# KiCad board Turbo_XT_Mainboard R3.kicad_pcb (continued)
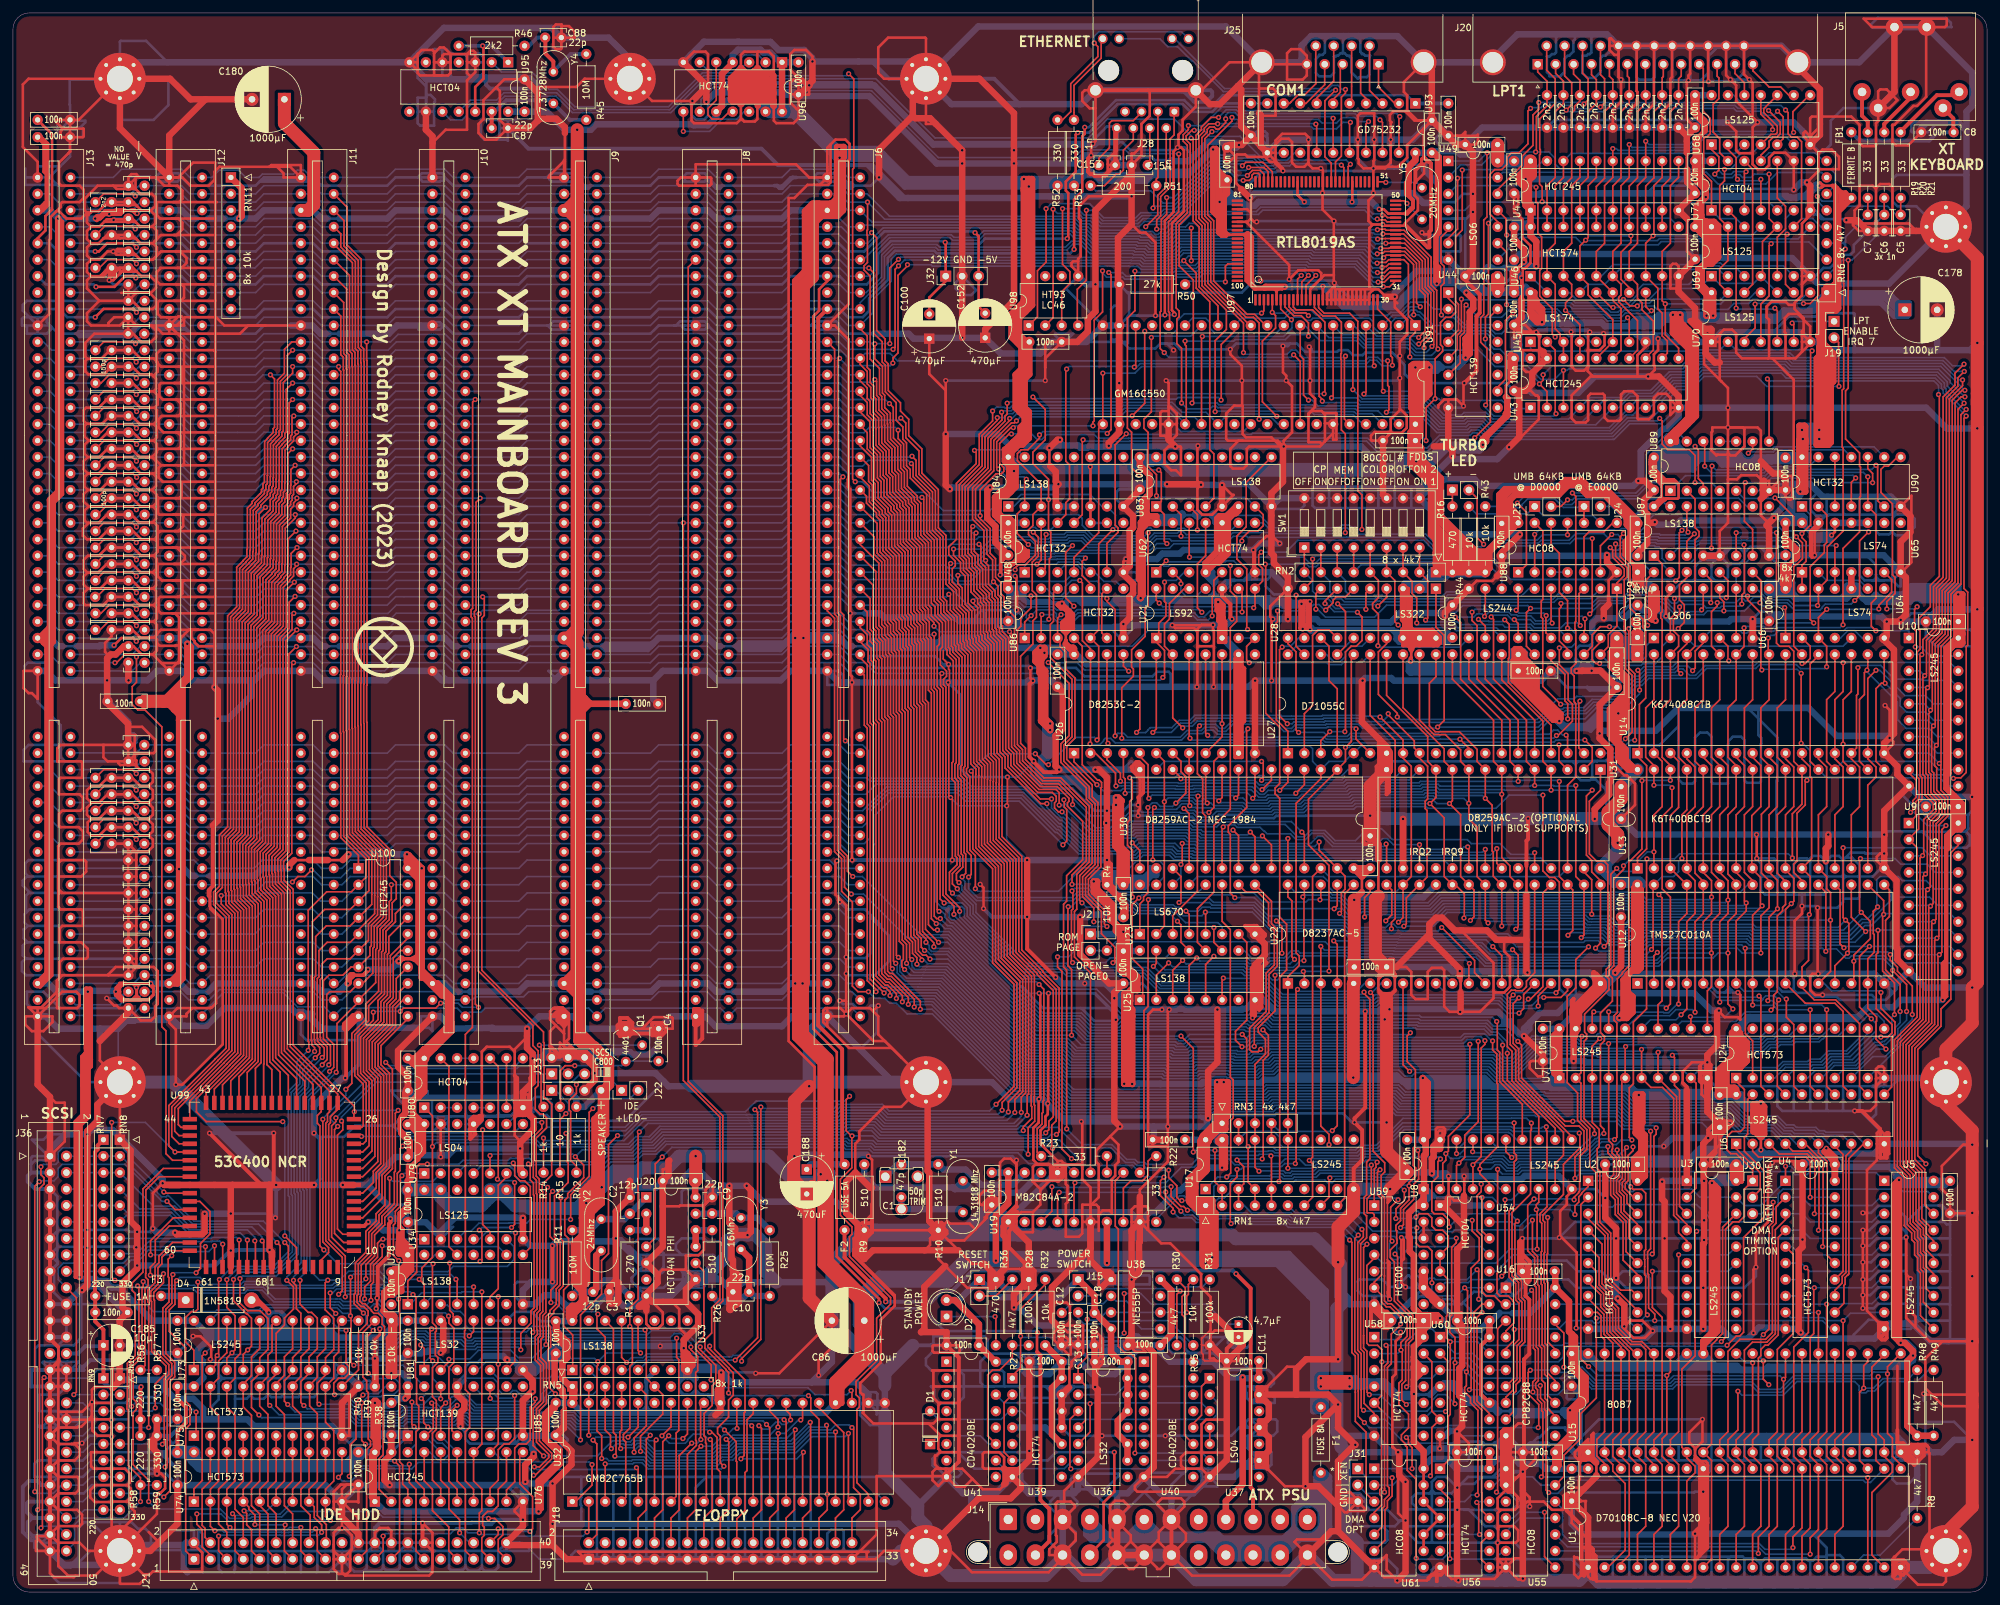
[diagram p0: board, top side]
## Routing (per net, layer and track width the routed paths; a pad name or vN(x,y) marks a point on that pad's centre or on a via; arc(x,y) is an arc through that point) (continued)
/IRQ2: length 43.2
  Top w0.25: v1(186.86,118.14) 186.69,117.97 U30.20 ; U31.17 v1(217.17,115.41)
  Bottom w0.25: v1(186.86,118.14) 187.18,118.46 188.64,118.46 189.02,118.08 192.56,118.08 193.15,117.49 193.24,117.49 193.64,117.08 197.24,117.08 198.15,116.17 199.54,116.17 200.52,117.15 202.38,117.15 203.95,115.59 210.71,115.59 211.45,116.33 212.22,116.33 213.14,115.41 v1(217.17,115.41)
/IRQ3: length 314.6
  Top w0.25: v1(161.54,121.51) 161.53,121.52 161.53,123.45 161.05,123.93 158.41,123.93 154.53,127.81 154.53,129.52 153.73,130.31 153.73,147.36 152.76,148.33 152.76,149.18 152.54,149.4 152.54,153.52 152.09,153.97 152.09,155.31 v1(151.39,156.01) 151.26,156.14 151.26,159.38 150.37,160.27 150.37,164.09 148.61,165.84 148.61,170.32 151.44,173.15 151.44,177.82 154.16,180.54 154.63,180.54 v1(154.94,180.85) ; v1(192.79,197.49) 193.14,197.84 U97.3 ; C118.2 14.03,157.5 18.42,157.5 v1(19.06,156.85) ; v1(172.81,181.63) 174.74,183.56 v1(174.74,194.7) ; U30.21 189.23,116.81 v1(188.38,117.66)
  Bottom w0.25: v1(172.81,181.63) 172.65,181.47 155.56,181.47 v1(154.94,180.85) ; v1(151.39,156.01) 150.99,155.61 145.57,155.61 144.84,156.34 128.77,156.34 127.63,157.48 J6.25 120.01,157.48 118.75,156.21 108.58,156.21 107.31,157.48 J8.25 99.69,157.48 98.42,156.21 88.26,156.21 86.99,157.48 J9.25 79.38,157.48 78.1,156.21 67.94,156.21 66.67,157.48 J10.25 59.05,157.48 57.78,156.21 47.62,156.21 46.35,157.48 J11.25 38.73,157.48 37.46,156.21 27.3,156.21 26.03,157.48 J12.25 19.68,157.48 19.06,156.86 v1(19.06,156.85) ; v1(174.74,194.7) 174.99,194.45 179.21,194.45 179.7,194.94 179.7,196.22 180.85,197.36 192.66,197.36 v1(192.79,197.49) ; v1(161.54,121.51) 162.02,121.51 166.41,117.12 169.83,117.12 170.47,117.77 172.62,117.77 172.98,118.13 181.61,118.13 182.04,117.7 183.43,117.7 183.71,117.42 188.14,117.42 v1(188.38,117.66) ; C118.2 6.98,156.21 5.71,157.48 J13.25
/IRQ4: length 303.4
  Top w0.25: v1(153.89,181.23) 153.89,180.91 150.99,178 150.99,173.33 148.16,170.51 148.16,165.66 149.92,163.9 149.92,159.56 v1(150.18,159.29) 150.18,158.93 150.62,158.48 150.62,155.62 151.64,154.6 151.64,153.79 152.09,153.34 152.09,149.05 152.31,148.83 152.31,148.15 153.28,147.18 153.28,130.13 154.08,129.33 154.08,127.62 158.22,123.48 160.47,123.48 161.08,122.87 161.08,122.12 160.82,121.86 160.82,121.08 161.41,120.49 v1(161.98,120.49) ; v1(191.04,117.36) 191.77,116.63 U30.22 ; v1(19.06,159.39) 18.44,160.02 14.01,160.02 C117.2
  Bottom w0.25: v1(150.18,159.29) 149.83,159.29 148.64,158.1 144.41,158.1 143.94,158.57 129.09,158.57 127.63,160.02 J6.24 120.01,160.02 118.75,158.75 108.58,158.75 107.31,160.02 J8.24 99.69,160.02 98.42,158.75 88.26,158.75 86.99,160.02 J9.24 79.38,160.02 78.1,158.75 67.94,158.75 66.67,160.02 J10.24 59.05,160.02 57.78,158.75 47.62,158.75 46.35,160.02 J11.24 38.73,160.02 37.46,158.75 27.3,158.75 26.03,160.02 J12.24 19.68,160.02 19.06,159.4 v1(19.06,159.39) ; v1(153.89,181.23) 154.24,181.23 154.93,181.92 171.37,181.92 171.81,182.35 178.42,182.35 179.7,181.07 179.7,179.83 180.32,179.21 190.01,179.21 U91.30 ; v1(161.98,120.49) 165.79,116.67 170.01,116.67 170.66,117.32 172.81,117.32 173.16,117.68 181.42,117.68 181.85,117.25 183.25,117.25 183.56,116.94 190.62,116.94 v1(191.04,117.36) ; 13.33,158.75 C117.2 6.98,158.75 5.71,160.02 J13.24
/IRQ5: length 240.2
  Top w0.25: C116.2 12.81,161.29 14.08,162.56 18.54,162.56 v1(19.05,162.05) ; v1(149.15,161.8) 149.45,161.5 149.45,158.94 150.17,158.22 150.17,155.44 151.19,154.41 151.19,153.6 151.64,153.15 151.64,148.86 151.86,148.64 151.86,147.96 152.83,146.99 152.83,129.94 153.63,129.14 153.63,127.44 158.6,122.47 v1(160.36,122.47) ; U30.23 194.31,115.36 v1(192.91,116.76)
  Bottom w0.25: v1(19.05,162.05) 19.18,162.05 19.68,162.56 J12.23 26.03,162.56 27.3,161.29 37.46,161.29 38.73,162.56 J11.23 46.35,162.56 47.62,161.29 57.78,161.29 59.05,162.56 J10.23 66.67,162.56 67.94,161.29 78.1,161.29 79.38,162.56 J9.23 86.99,162.56 88.26,161.29 98.42,161.29 99.69,162.56 J8.23 107.31,162.56 108.58,161.29 118.75,161.29 120.01,162.56 J6.23 127.63,162.56 128.9,161.29 144.29,161.29 144.8,161.8 v1(149.15,161.8) ; J13.23 5.71,162.56 6.98,161.29 C116.2 ; v1(160.36,122.47) 160.36,121.08 161.83,119.61 162.2,119.61 165.59,116.22 170.2,116.22 170.85,116.87 172.99,116.87 173.35,117.23 181.23,117.23 181.66,116.8 183.06,116.8 183.38,116.49 192.64,116.49 v1(192.91,116.76)
/IRQ6: length 413.7
  Top w0.25: C115.2 14.01,165.1 18.44,165.1 v1(19.06,164.47) ; v1(159.63,121.74) 158.69,121.74 153.18,127.25 153.18,128.96 152.38,129.75 152.38,146.8 151.41,147.77 151.41,148.46 151.19,148.68 151.19,152.96 150.74,153.41 150.74,154.23 149.72,155.25 149.72,158.01 149,158.73 149,160.12 148.43,160.7 148.43,163.27 v1(148.7,163.55) ; v1(110.49,30.73) 110.49,33.91 110.1,34.3 110.1,34.37 106.84,37.62 106.84,38.96 107.88,40 107.88,43.87 109.15,45.14 109.15,73.35 103.51,78.99 v1(103.51,165.1) ; U30.24 v1(196.85,116.36) ; U32.16 124.46,26.67 123.19,27.94 123.19,29.96 v1(122.82,30.33)
  Bottom w0.25: v1(122.82,30.33) 122.8,30.35 110.88,30.35 v1(110.49,30.73) ; v1(19.06,164.47) 19.06,164.48 19.68,165.1 J12.22 26.03,165.1 27.3,163.83 37.46,163.83 38.73,165.1 J11.22 46.35,165.1 47.62,163.83 57.78,163.83 59.05,165.1 J10.22 66.67,165.1 67.94,163.83 78.1,163.83 79.38,165.1 J9.22 86.99,165.1 88.26,163.83 98.42,163.83 99.69,165.1 v1(103.51,165.1) J8.22 107.31,165.1 108.58,163.83 118.75,163.83 120.02,165.1 J6.22 127.76,165.1 129.03,163.83 147.86,163.83 148.14,163.55 v1(148.7,163.55) ; v1(196.85,116.36) 196.53,116.04 183.19,116.04 182.87,116.35 181.48,116.35 181.05,116.78 173.54,116.78 173.18,116.42 171.03,116.42 170.38,115.77 165.4,115.77 162.01,119.16 161.64,119.16 159.63,121.17 v1(159.63,121.74) ; J13.22 5.71,165.1 6.98,163.83 C115.2
/IRQ7: length 546.3
  Top w0.25: U99.4 43.79,53.18 v1(41.97,54.99) ; v1(38.99,167.49) 38,166.49 38,160.33 37.92,160.26 37.92,159.13 37.32,158.53 37.32,158.48 36.34,157.5 36.34,151.4 34.95,150 34.95,117.43 33.68,116.16 33.68,108.37 33.78,108.27 33.78,106.54 35.16,105.16 35.16,83.05 33.47,81.36 33.47,81.34 28.32,76.19 28.32,74.17 29.84,72.64 v1(41.66,72.64) ; v1(163.61,121.59) 163.61,122.65 161.43,124.83 158.78,124.83 155.43,128.18 155.43,129.89 154.63,130.69 154.63,148.79 154.8,148.95 154.8,150.48 153.03,152.24 153.03,153.67 152.54,154.16 152.54,155.88 151.71,156.72 151.71,159.57 150.88,160.4 150.88,164.22 149.34,165.75 v1(149.34,166.2) 149.34,170.22 151.8,172.68 152.62,172.68 152.99,173.06 152.99,173.63 152.34,174.28 152.34,177.36 153.81,178.83 v1(154.16,178.83) ; U30.25 199.39,116.97 v1(199.01,117.35) ; J19.2 281.88,192.98 281.88,186.25 v1(281.94,186.18) ; v1(19.05,167.13) 18.54,167.64 14.33,167.64 13.06,166.37 C114.2
  Bottom w0.25: v1(41.97,54.99) 41.97,72.33 v1(41.66,72.64) ; v1(163.61,121.59) 167.18,118.02 169.45,118.02 170.1,118.67 172.25,118.67 172.6,119.03 181.98,119.03 182.41,118.6 185.66,118.6 186.42,119.36 189.01,119.36 189.39,118.98 197.38,118.98 v1(199.01,117.35) ; v1(281.94,186.18) 270.76,186.18 269.24,187.71 261.11,187.71 259.08,185.67 257.05,185.67 255.9,184.53 255.9,181.81 254.5,180.4 249.63,180.4 247.21,177.99 247.08,177.99 227.05,177.99 226.05,178.99 225.36,178.99 224.98,178.6 220.26,178.6 218.33,176.67 210.68,176.67 209.17,178.18 172.29,178.18 172.24,178.14 169.77,178.14 169.73,178.18 167.51,178.18 166.95,178.75 159.63,178.75 158.84,177.96 158.15,177.96 157.28,178.83 v1(154.16,178.83) ; C114.2 6.98,166.37 5.71,167.64 J13.21 ; v1(149.34,166.2) 149.16,166.37 128.78,166.37 127.51,167.64 J6.21 120.01,167.64 118.75,166.37 108.58,166.37 107.31,167.64 J8.21 99.69,167.64 98.42,166.37 88.26,166.37 86.99,167.64 J9.21 79.38,167.64 78.1,166.37 67.94,166.37 66.67,167.64 J10.21 59.05,167.64 57.78,166.37 47.62,166.37 46.35,167.64 J11.21 38.73,167.64 37.46,166.37 27.3,166.37 26.03,167.64 J12.21 19.68,167.64 19.18,167.13 v1(19.05,167.13)
/IRQ9: length 321.1
  Top w0.25: C101.2 12.81,209.55 14.14,210.88 18.49,210.88 v1(18.89,210.48) ; v1(148.6,108.61) 148.6,113.72 147.76,114.56 147.76,125.92 147.23,126.45 147.23,127.12 147.43,127.32 147.43,144.75 146.46,145.72 146.46,146.41 146.24,146.63 146.24,150.75 145.22,151.77 145.22,154.49 144.05,155.67 144.05,163.17 142.88,164.34 142.88,170.24 140.33,172.78 140.33,176.53 138.3,178.56 138.3,181.1 137.03,182.37 137.03,183.64 135.15,185.53 135.15,189.5 135.14,189.5 135.14,189.64 134.66,190.13 134.66,193.51 133.35,194.82 133.35,209.13 v1(132.57,209.91)
  Bottom w0.25: v1(18.89,210.48) 19.23,210.82 J12.4 26.03,210.82 27.3,209.55 37.46,209.55 38.73,210.82 J11.4 46.35,210.82 47.62,209.55 57.78,209.55 59.05,210.82 J10.4 66.67,210.82 67.94,209.55 78.1,209.55 79.38,210.82 J9.4 86.99,210.82 88.26,209.55 98.42,209.55 99.69,210.82 J8.4 107.31,210.82 108.58,209.55 118.75,209.55 120.01,210.82 J6.4 127.89,210.82 129.16,209.55 132.22,209.55 v1(132.57,209.91) ; J13.4 5.71,210.82 6.98,209.55 C101.2 ; v1(148.6,108.61) 149,108.21 161.43,108.21 165.04,111.82 172.4,111.82 173.49,112.92 173.65,112.92 174.51,113.78 178.58,113.78 179.28,113.08 180.88,113.08 181.07,112.89 221.12,112.89 U31.19
/IRQ10: length 236.8
  Top w0.25: U31.20 224.79,114.88 v1(224.61,115.06) ; C162.2 14.01,127 18.41,127 v1(19.04,126.37)
  Bottom w0.25: v1(224.61,115.06) 224.04,115.06 223.67,114.69 182.63,114.69 182.44,114.88 180.19,114.88 179.44,115.62 173.81,115.62 173.16,114.97 171.59,114.97 171.24,115.32 165.11,115.32 161.8,118.64 161.52,118.64 156.22,123.94 147.84,123.94 146.57,125.21 132.34,125.21 131.82,125.73 128.9,125.73 127.63,127 J6.65 120.01,127 118.75,125.73 108.58,125.73 107.31,127 J8.65 99.69,127 98.42,125.73 88.26,125.73 86.99,127 J9.65 79.38,127 78.1,125.73 67.94,125.73 66.67,127 J10.65 59.05,127 57.78,125.73 47.62,125.73 46.35,127 J11.65 38.73,127 37.46,125.73 27.3,125.73 26.03,127 J12.65 19.66,127 v1(19.04,126.37) ; J13.65 5.71,127 6.98,125.73 C162.2
/IRQ11: length 239.7
  Top w0.25: U31.21 v1(227.33,114.68) ; v1(19.04,123.83) 18.41,124.46 14.08,124.46 12.81,123.19 C163.2
  Bottom w0.25: C163.2 6.98,123.19 5.71,124.46 J13.66 ; v1(19.04,123.83) 19.66,124.46 J12.66 26.03,124.46 27.3,123.19 37.46,123.19 38.73,124.46 J11.66 46.35,124.46 47.62,123.19 57.78,123.19 59.05,124.46 J10.66 66.67,124.46 67.94,123.19 78.1,123.19 79.38,124.46 J9.66 86.99,124.46 88.26,123.19 98.42,123.19 99.69,124.46 J8.66 107.31,124.46 108.58,123.19 118.75,123.19 120.01,124.46 J6.66 127.63,124.46 128.9,123.19 131.71,123.19 133.28,124.76 146.38,124.76 147.66,123.49 156.04,123.49 161.33,118.19 161.61,118.19 164.92,114.87 171.05,114.87 171.66,114.27 173.09,114.27 173.95,115.13 179.14,115.13 179.84,114.43 182.25,114.43 182.44,114.24 226.88,114.24 v1(227.33,114.68)
/IRQ12: length 243
  Top w0.25: v1(19.04,121.29) 18.41,121.92 14.08,121.92 12.81,120.65 C164.2 ; U31.22 229.11,112.52 v1(229.11,114.8)
  Bottom w0.25: v1(19.04,121.29) 19.06,121.29 19.68,121.92 J12.67 26.03,121.92 27.3,120.65 37.46,120.65 38.73,121.92 J11.67 46.35,121.92 47.62,120.65 57.78,120.65 59.05,121.92 J10.67 66.67,121.92 67.94,120.65 78.1,120.65 79.38,121.92 J9.67 86.99,121.92 88.26,120.65 98.42,120.65 99.69,121.92 J8.67 107.31,121.92 108.58,120.65 118.75,120.65 120.01,121.92 J6.67 127.63,121.92 128.9,120.65 131.19,120.65 134.85,124.31 146.19,124.31 147.47,123.04 155.85,123.04 161.15,117.74 161.42,117.74 164.74,114.42 170.86,114.42 171.47,113.82 173.28,113.82 174.14,114.68 178.95,114.68 179.65,113.98 182.07,113.98 182.26,113.79 228.09,113.79 v1(229.11,114.8) ; J13.67 5.71,121.92 6.98,120.65 C164.2
/IRQ14: length 264.8
  Top w0.25: v1(162.12,115.38) 162.7,115.97 162.7,120.83 162.32,121.21 162.32,122.27 v1(162.26,122.34) ; C165.2 12.81,115.57 14.08,116.84 18.41,116.84 v1(19.04,116.21) ; U31.24 v1(234.95,114.17)
  Bottom w0.25: v1(162.12,115.38) 155.36,122.14 147.1,122.14 145.82,123.41 135.22,123.41 132.35,120.54 132.35,116.47 131.44,115.57 128.9,115.57 127.63,116.84 J6.69 120.01,116.84 118.75,115.57 108.58,115.57 107.31,116.84 J8.69 99.69,116.84 98.42,115.57 88.26,115.57 86.99,116.84 J9.69 79.38,116.84 78.1,115.57 67.94,115.57 66.67,116.84 J10.69 59.05,116.84 57.78,115.57 47.62,115.57 46.35,116.84 J11.69 38.73,116.84 37.46,115.57 27.3,115.57 26.03,116.84 J12.69 19.66,116.84 v1(19.04,116.21) ; C165.2 6.98,115.57 5.71,116.84 J13.69 ; v1(162.26,122.34) 162.26,121.91 166.59,117.57 169.64,117.57 170.29,118.22 172.43,118.22 172.79,118.58 181.79,118.58 182.22,118.15 185.84,118.15 186.61,118.91 188.83,118.91 189.21,118.53 196.43,118.53 198.34,116.62 199.36,116.62 200.34,117.6 202.57,117.6 204.13,116.04 207.28,116.04 208.42,117.18 208.42,117.3 209.01,117.89 211.3,117.89 212.98,116.21 224.54,116.21 225.17,115.57 229.62,115.57 231.27,113.92 234.7,113.92 v1(234.95,114.17)
/IRQ15: length 250.2
  Top w0.25: C166.2 14.01,119.38 18.41,119.38 v1(19.04,118.75)
  Bottom w0.25: C166.2 6.98,118.11 5.71,119.38 J13.68 ; v1(19.04,118.75) 19.66,119.38 J12.68 26.03,119.38 27.3,118.11 37.46,118.11 38.73,119.38 J11.68 46.35,119.38 47.62,118.11 57.78,118.11 59.05,119.38 J10.68 66.67,119.38 67.94,118.11 78.1,118.11 79.38,119.38 J9.68 86.99,119.38 88.26,118.11 98.42,118.11 99.69,119.38 J8.68 107.31,119.38 108.58,118.11 118.75,118.11 120.01,119.38 J6.68 127.63,119.38 128.9,118.11 131.15,118.11 131.9,118.86 131.9,120.72 135.04,123.86 146.01,123.86 147.28,122.59 155.66,122.59 160.96,117.29 161.24,117.29 164.55,113.97 170.68,113.97 171.29,113.37 173.46,113.37 174.32,114.23 178.76,114.23 179.46,113.53 181.88,113.53 182.07,113.34 235.91,113.34 U31.25
/ISAIO: length 129.1
  Bottom w0.25: J6.32 128.9,218.44 127.63,219.71 120.01,219.71 118.75,218.44 J8.32 108.58,218.44 107.31,219.71 99.69,219.71 98.42,218.44 J9.32 88.26,218.44 86.99,219.71 79.38,219.71 78.1,218.44 J10.32 67.94,218.44 66.67,219.71 59.05,219.71 57.78,218.44 J11.32 47.1,218.44 46.57,218.97 45.58,218.97 45.58,218.98 44.99,219.57 43.91,219.57 43.32,218.98 43.32,218.97 38.52,218.97 37.99,218.44 35.94,218.44 34.82,219.57 31.83,219.57 30.71,218.44 J12.32 27.3,218.44 26.03,219.71 16.76,219.71 15.49,218.44 J13.32
/KB_CLK: length 81.8
  Top w0.25: R19.1 C7.1 ; v1(278.64,152.34) 278.76,152.47 U64.12 280.12,156.3 280.12,161.38 282.57,163.83 282.57,176.66 282.43,176.8 282.43,185.6 282.67,185.83 282.67,202.07 282.64,202.1 282.64,207.11 v1(282.91,207.39)
  Bottom w0.25: 282.57,208.28 282.83,208.28 ; 282.57,208.28 282.91,207.94 v1(282.91,207.39) 282.96,207.43 282.96,208.66 ; 282.57,208.28 RN6.4 ; 282.57,208.28 282.96,208.66 ; 282.96,208.66 282.96,209.26 C7.1 ; v1(278.64,152.34) 274.97,152.34 274.12,153.2 270.96,153.2 269.22,154.94 268.6,154.94
/KB_DATA: length 167.5
  Top w0.25: R20.1 C6.1 ; v1(283.36,205.66) 283.36,185.9 282.96,185.49 282.96,178.05 285.12,175.9 285.12,173.86 285.26,173.72 285.26,169.18 285.12,169.04 285.12,163.7 282.56,161.15 v1(282.56,149.36) ; U28.17 212.09,146.45 210.82,145.18 210.82,138.61 213.74,135.69 v1(213.74,135.13) ; U66.4 260.99,146.56 259.74,145.32 259.74,142.67 v1(259.34,142.27)
  Bottom w0.25: U66.4 262.11,148.45 266.68,148.45 267.05,148.08 267.7,148.08 268.08,148.46 270.32,148.46 270.42,148.36 271.87,148.36 272.43,148.92 282.12,148.92 v1(282.56,149.36) ; C6.1 287.69,211.45 287.69,209.43 283.93,205.66 v1(283.36,205.66) 282.5,205.66 RN6.2 ; v1(213.74,135.13) 214.12,134.75 235.33,134.75 238.51,137.92 241.05,137.92 241.43,138.3 247.92,138.3 248.78,139.16 248.78,139.91 250.3,141.43 251.01,141.43 252.02,142.45 256.44,142.45 256.99,143 258.62,143 v1(259.34,142.27)
/KBD_QH: length 107
  Top w0.25: v1(276.24,143.38) 276.71,143.38 277.5,144.17 277.5,146.05 276.22,147.32 ; v1(196.76,134.08) 195.56,135.27 195.56,145.52 v1(195.96,145.92)
  Bottom w0.25: v1(276.24,143.38) 275.97,143.65 269.49,143.65 268.91,143.07 261.31,143.07 259.78,141.55 258.87,141.55 257.87,142.55 257.18,142.55 256.63,142 252.21,142 251.19,140.98 250.48,140.98 249.23,139.72 249.23,138.97 248.1,137.85 243.83,137.85 242.53,136.56 239.51,136.56 239.3,136.34 237.69,136.34 235.64,134.3 211.95,134.3 211.61,133.95 208.43,133.95 207.9,134.48 202.59,134.48 202.47,134.35 199.23,134.35 199.22,134.37 197.78,134.37 197.5,134.08 v1(196.76,134.08) ; U28.12 198.52,147.32 197.25,146.05 196.09,146.05 v1(195.96,145.92)
/LA17: length 128.2
  Bottom w0.25: J6.88 128.9,114.3 127.63,115.57 120.01,115.57 118.75,114.3 J8.88 108.58,114.3 107.31,115.57 99.69,115.57 98.42,114.3 J9.88 88.26,114.3 86.99,115.57 79.38,115.57 78.1,114.3 J10.88 67.94,114.3 66.67,115.57 59.05,115.57 58.29,114.81 50.04,114.81 J11.88 47.62,114.3 46.35,115.57 38.73,115.57 37.46,114.3 J12.88 27.3,114.3 26.03,115.57 C155.2 19.01,114.3 J13.88
/LA18: length 128.2
  Bottom w0.25: J6.87 128.9,116.84 127.63,118.11 120.01,118.11 118.75,116.84 J8.87 108.58,116.84 107.31,118.11 99.69,118.11 98.42,116.84 J9.87 88.26,116.84 86.99,118.11 79.38,118.11 78.1,116.84 J10.87 67.94,116.84 66.67,118.11 59.05,118.11 57.78,116.84 J11.87 47.62,116.84 46.35,118.11 38.73,118.11 37.46,116.84 J12.87 27.3,116.84 26.03,118.11 C156.2 19.86,118.11 18.59,116.84 J13.87
/LA19: length 128.2
  Bottom w0.25: J6.86 128.9,119.38 127.63,120.65 120.01,120.65 118.75,119.38 J8.86 108.58,119.38 107.31,120.65 99.69,120.65 98.42,119.38 J9.86 88.26,119.38 86.99,120.65 79.38,120.65 78.1,119.38 J10.86 67.94,119.38 66.67,120.65 59.05,120.65 57.78,119.38 J11.86 47.62,119.38 46.35,120.65 38.73,120.65 37.46,119.38 J12.86 27.3,119.38 26.03,120.65 C157.2 19.86,120.65 18.59,119.38 J13.86
/LA20: length 128.2
  Bottom w0.25: J13.85 18.59,121.92 19.86,123.19 C158.2 26.03,123.19 27.3,121.92 J12.85 37.46,121.92 38.73,123.19 46.35,123.19 47.62,121.92 J11.85 57.78,121.92 59.05,123.19 66.67,123.19 67.94,121.92 J10.85 78.1,121.92 79.38,123.19 86.99,123.19 88.26,121.92 J9.85 98.42,121.92 99.69,123.19 107.31,123.19 108.58,121.92 J8.85 118.75,121.92 120.01,123.19 127.63,123.19 128.9,121.92 J6.85
/LA21: length 128.2
  Bottom w0.25: J6.84 128.9,124.46 127.63,125.73 120.01,125.73 118.75,124.46 J8.84 108.58,124.46 107.31,125.73 99.69,125.73 98.42,124.46 J9.84 88.26,124.46 86.99,125.73 79.38,125.73 78.1,124.46 J10.84 67.94,124.46 66.67,125.73 59.05,125.73 57.78,124.46 J11.84 47.62,124.46 46.35,125.73 38.73,125.73 37.46,124.46 J12.84 27.3,124.46 26.03,125.73 C159.2 19.86,125.73 18.59,124.46 J13.84
/LA22: length 128.2
  Bottom w0.25: J13.83 18.59,127 19.86,128.27 C160.2 26.03,128.27 27.3,127 J12.83 37.46,127 38.73,128.27 46.35,128.27 47.62,127 J11.83 57.78,127 59.05,128.27 66.67,128.27 67.94,127 J10.83 78.1,127 79.38,128.27 86.99,128.27 88.26,127 J9.83 98.42,127 99.69,128.27 107.31,128.27 108.58,127 J8.83 118.75,127 120.01,128.27 127.63,128.27 128.9,127 J6.83
/LA23: length 128.2
  Bottom w0.25: J6.82 128.9,129.54 127.63,130.81 120.01,130.81 118.75,129.54 J8.82 108.58,129.54 107.31,130.81 99.69,130.81 98.42,129.54 J9.82 88.26,129.54 86.99,130.81 79.38,130.81 78.1,129.54 J10.82 67.94,129.54 66.67,130.81 59.05,130.81 57.78,129.54 J11.82 47.62,129.54 46.35,130.81 38.73,130.81 37.46,129.54 J12.82 27.3,129.54 26.03,130.81 C161.2 19.05,129.58 8.93,129.58 J13.82
/LD0: length 61.6
  Top w0.25: U43.18 U45.3 238.89,193.55 238.89,194.31 238.12,195.07 238.12,201.93 U46.2 236.85,207.01 238.12,208.28 238.12,217.17 239.39,218.44 U47.18
  Bottom w0.25: U47.18 240.57,222.16 265.97,222.16 U68.3
/LD1: length 73.5
  Top w0.25: U43.17 U45.4 241.94,195.69 v1(239.72,197.91) 239.72,199.08 240.66,200.03 240.66,201.93 U46.3 239.39,207.01 240.66,208.28 240.66,217.17 241.94,218.44 U47.17
  Bottom w0.25: v1(239.72,197.91) 239.89,197.73 245.98,197.73 246.53,197.18 248,197.18 248.77,197.96 249.86,197.96 249.95,197.87 251.17,197.87 251.89,198.59 253.33,198.59 253.87,198.06 264.79,198.06 265.72,198.98 268.01,198.98 268.64,199.61 269.33,199.61 269.51,199.43 275.89,199.43 277.12,200.66 U70.8
/LD2: length 70.3
  Top w0.25: U47.16 244.47,218.44 243.22,217.19 243.22,209.15 v1(242.82,208.75) 241.94,207.87 U46.4 243.2,201.93 243.2,200.28 247.01,196.47 U45.6 U43.16
  Bottom w0.25: U69.8 275.63,208.95 271.36,208.95 271.33,208.98 254.2,208.98 253.91,208.7 242.87,208.7 v1(242.82,208.75)
/LD3: length 97.3
  Top w0.25: U43.15 248.28,191.77 248.28,198.19 247.01,199.46 U45.11 U46.5 244.47,207.01 245.75,208.28 245.75,217.17 247.01,218.44 U47.15 v1(247.01,222.88)
  Bottom w0.25: U46.5 245.24,203.2 247.01,204.98 258.89,204.98 259.17,204.69 260.26,204.69 260.79,205.23 263.64,205.23 264.07,204.79 273.37,204.79 U69.6 ; U68.6 273.83,224.65 261.24,224.65 259.21,222.62 247.85,222.62 247.58,222.88 v1(247.01,222.88)
/LD4: length 97.9
  Top w0.25: U68.8 277.37,231.14 274.83,228.6 274.83,225.5 v1(274.93,225.39) ; v1(249.56,223.52) U47.14 249.56,218.44 248.28,217.17 248.28,208.28 247.01,207.01 U46.6 248.28,201.93 248.28,200.29 247.93,199.93 247.93,199.24 250.82,196.35 250.82,191.77 U43.14
  Bottom w0.25: U45.13 243.2,201.93 245.75,201.93 U46.6 248.22,204.4 258.83,204.4 258.99,204.24 260.44,204.24 260.97,204.78 263.45,204.78 263.89,204.34 266.2,204.34 U69.3 ; v1(274.93,225.39) 274.64,225.1 261.05,225.1 259.02,223.07 250.01,223.07 v1(249.56,223.52)
/LD5: length 76.6
  Top w0.25: U68.11 269.88,228.22 271.69,226.4 v1(271.69,225.82) ; v1(252.09,224.03) U47.13 252.09,218.44 250.82,217.17 250.82,208.28 249.56,207.01 U46.7 250.82,201.93 250.82,199.77 251.52,199.07 251.52,198 253.27,196.25 253.27,191.79 252.09,190.61 U43.13
  Bottom w0.25: v1(252.09,224.03) 252.6,223.52 258.84,223.52 260.87,225.55 271.42,225.55 v1(271.69,225.82) ; U45.14 240.34,200.66 241.47,199.53 247.57,199.53 248.28,200.25 248.28,201.93 U46.7
/LD6: length 50.5
  Top w0.25: U47.12 254.63,218.44 253.37,217.17 253.37,209.55 v1(253.24,209.42) 252.09,208.28 U46.8 253.96,201.33 253.96,198.16 254.63,197.49 254.63,193.99 255.43,193.19 255.43,191.3 U43.12
  Bottom w0.25: v1(253.24,209.42) 253.25,209.43 268.49,209.43 U69.11
/LD7: length 48.1
  Top w0.25: U43.11 257.18,192.08 255.12,194.14 v1(255.12,198.92) 254.63,199.4 U46.9 254.63,207.01 255.9,208.28 255.9,217.17 257.18,218.44 U47.11
  Bottom w0.25: v1(255.12,198.92) 263.69,198.92 264.25,199.48 267.37,199.48 267.42,199.54 267.88,199.54 269,200.66 U70.11
/LOAD_RD_H: length 45.4
  Top w0.25: U75.11 53.35,34.3 53.35,40.14 54.7,41.49 54.7,42.6 54.84,42.73 54.84,43.4 54.16,44.08 53.76,44.08 53.12,44.72 53.12,45.79 53.32,45.99 53.32,50.65 54.93,52.27 54.93,55.51 56.51,57.09 56.51,58.22 58.16,59.87 v1(58.16,63.88)
  Bottom w0.25: v1(58.16,63.88) 58.61,63.43 64.83,63.43 U79.2
/LOAD_WR_H: length 98.4
  Top w0.25: v1(82.54,62.49) 82.29,62.24 82.29,43.17 81.79,42.67 81.79,40.9 81.87,40.82 81.87,39.38 81.53,39.05 81.53,36.2 82.36,35.37 82.36,29.14 81.28,28.06 81.28,23.34 83.18,21.44 83.18,20.57 80.64,18.03 v1(80.39,18.03) ; U74.11 50.8,18.27 v1(50.26,17.72)
  Bottom w0.25: U79.4 72.25,65.77 76.66,65.77 76.9,65.52 76.99,65.52 77.47,65.04 77.47,64.25 78.46,63.25 81.78,63.25 v1(82.54,62.49) ; v1(80.39,18.03) 80.39,18.42 78.79,20.01 62.56,20.01 61.59,19.05 61.58,19.05 61.55,19.01 60.85,19.01 60.81,19.05 53.85,19.05 52.8,18 52.8,17.72 52.22,17.13 50.85,17.13 v1(50.26,17.72)
/LPT_ACK: length 27.1
  Top w0.25: v1(272.03,198.26) 272.41,197.88 U70.5 ; v1(266.06,198.26) 266.06,212.09 U71.2
  Bottom w0.25: v1(266.06,198.26) 266.2,198.12 271.9,198.12 v1(272.03,198.26)
/LPT_AUTO_FD_XT: length 14
  Top w0.25: v1(273.94,209.68) 273.69,209.42 273.69,201.93 U70.9
  Bottom w0.25: v1(273.94,209.68) 273.69,209.93 273.69,212.09 U71.6
/LPT_BUSY: length 16.4
  Top w0.25: U71.13 263.52,222.25 263.52,224.42 262.51,225.44 262.51,229.73 263.4,230.62 263.4,233.81 263.12,234.09 J20.11
/LPT_D0: length 26.7
  Top w0.25: U46.19 U47.2 236.85,217.17 238.12,218.44 238.12,228.6 239.39,229.87 C21.1 239.39,233.3 238.19,234.5 J20.2
/LPT_D1: length 26.6
  Top w0.25: J20.3 240.96,234.4 241.94,233.43 C22.1 241.94,230.25 241.12,229.43 241.12,228.85 240.66,228.4 240.66,218.38 239.39,217.11 U47.3 U46.18
/LPT_D2: length 26.5
  Top w0.25: J20.4 243.73,234.3 244.47,233.55 C23.1 244.47,229.87 243.2,228.6 243.2,218.44 241.94,217.17 U47.4 U46.17
/LPT_D3: length 26.4
  Top w0.25: U46.16 U47.5 244.47,217.04 245.75,218.31 245.75,228.6 247.01,229.87 C24.1 247.01,233.55 246.5,234.07 J20.5
/LPT_D4: length 26.3
  Top w0.25: U46.15 U47.6 247.01,217.11 248.28,218.38 248.28,228.6 249.56,229.87 C25.1 249.56,233.81 249.27,234.09 J20.6
/LPT_D5: length 26.2
  Top w0.25: J20.7 252.04,231.19 C26.1 252.09,229.87 250.82,228.6 250.82,218.38 249.56,217.11 U47.7 U46.14
/LPT_D6: length 26.2
  Top w0.25: J20.8 254.81,234.01 254.63,233.84 C27.1 254.63,229.87 253.37,228.6 253.37,218.38 252.09,217.11 U47.8 U46.13
/LPT_D7: length 26.3
  Top w0.25: J20.9 257.58,234.09 257.18,233.68 C28.1 257.18,229.87 255.9,228.6 255.9,218.31 254.63,217.04 U47.9 U46.12
/LPT_EXT_DATA_IN: length 3.6
  Bottom w0.25: U46.1 U45.15
/LPT_IRQ_EN: length 51.6
  Top w0.25: U49.9 230.61,206.9 v1(230.61,198.79) ; v1(247.07,198.36) 246.78,198.36 U45.12
  Bottom w0.25: v1(230.61,198.79) 230.91,199.08 240.57,199.08 241.02,198.63 246.79,198.63 v1(247.07,198.36) 247.9,198.36 248.4,198.86 249.35,198.86 250.82,200.33 250.82,201.06 251.7,201.93 258.76,201.93 261.16,204.33 263.26,204.33 264.39,203.2 U69.2
/LPT_PE: length 5.4
  Top w0.25: J20.12 265.89,234.49 267.33,233.05 U68.12
/LPT_SELECT: length 8.9
  Top w0.25: J20.13 268.66,234.89 271.14,232.41 272.92,232.41 274.19,231.14 U68.9
/LPT_SELECT_IN: length 18.8
  Top w0.25: U69.5 272.41,209.23 273.69,210.5 273.69,214 272.41,215.26 U71.10
/LPT_STROBE: length 14.6
  Top w0.25: U71.4 v1(269.88,218.15) ; v1(266.26,218.15) 266.06,218.35 266.06,221.49 264.79,222.76 U68.2
  Bottom w0.25: v1(269.88,218.15) 269.66,217.93 266.48,217.93 v1(266.26,218.15)
/MD0: length 51.7
  Top w0.25: v1(282.57,143.51) 282.57,139.06 281.31,137.8 U14.13 281.31,128.67 282.57,127.4 282.57,121.28 281.31,120.02 U13.13